# Altium PCB LION_TRACKER.PcbDoc (part 2 of 2)
Units mm, origin at the board's own origin, x right, y up, seen from the top; angles counter-clockwise.
Board outline 22.8 x 82 mm, 2 copper layers (Top Layer, Bottom Layer), stack 1.579 mm thick; 114 components, 83 nets, 437 pads, 487 vias.
Unrouted connection lines stored in the file: 5.
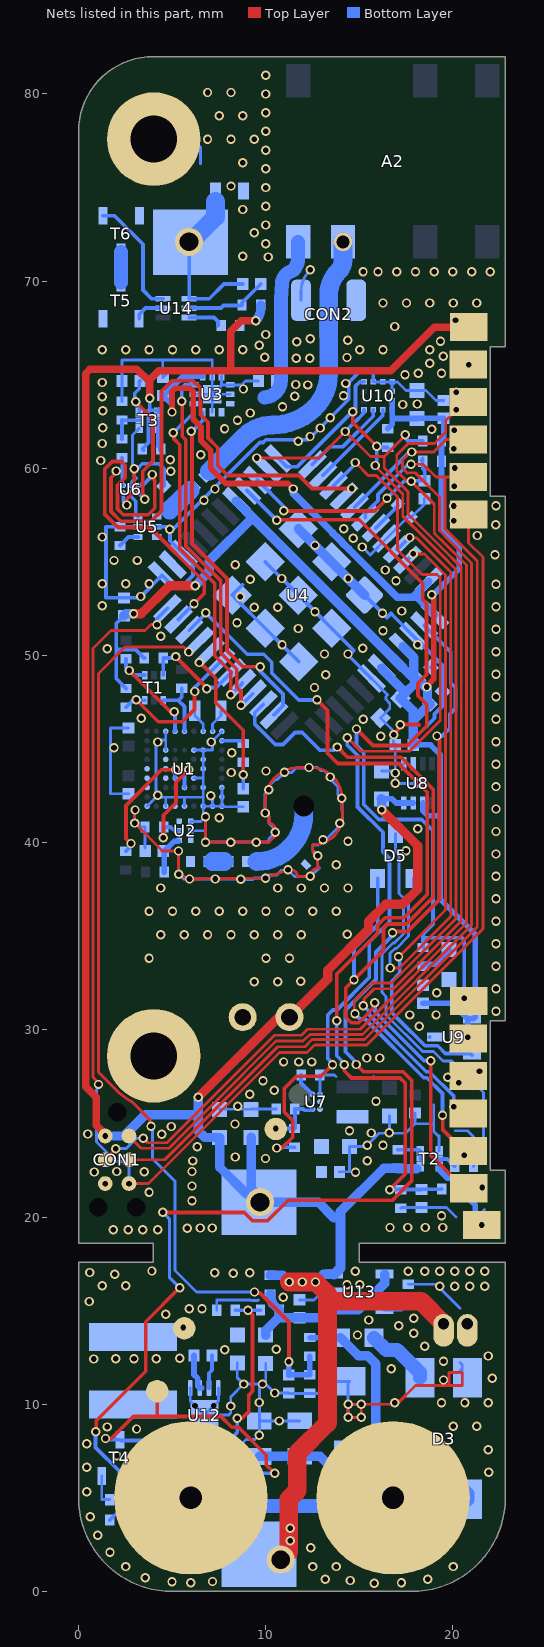
[diagram p2: the nets of this part, all layers, seen from the top]

## Via types
v1: diameter 0.5, hole 0.3, Top Layer to Bottom Layer, tented both sides, 479 vias
v2: diameter 0.3, hole 0.3, Top Layer to Bottom Layer, tented both sides, 6 vias
v3: diameter 1.2/1.4 (per signal layer), hole 1.2, Top Layer to Bottom Layer, tented both sides, 2 vias

## Nets (pads, with @x,y where several pads share a name; then routed paths per layer and width w, separated by ;. In a path a pad name is that pad's centre, name@x,y a point inside that pad or via, vN(x,y) a via of type N, cw(c..) or ccw(c..) an arc to the next point about the centre after c; other vN are vias at no path point) (continued)
+2.5V: C5.1 C6.2 C12.1 C13.2 C14.2 C15.2 C34.2 C36.1 pad.102@20.82,29.54 R6.2 R8.2 R10.2 R11.2 R18.2 U4.4 U4.5 U4.6 U4.32 U8.2 U8.6 U9.1 U10.9 U10.10 | length 82
  Top Layer w0.3: v1(18.61,48.319) 18.61,48.373 18.968,48.731 18.968,53.084 18.868,53.184 v1(18.868,53.238)
  Top Layer w0.5: v1(2.94,52.23) 3.35,52.23 4.853,53.733 v1(6.237,53.733)
  Bottom Layer w0.2: C15.2@2.42,52.12 2.011,51.711 2.011,50.291 ; R6.2@2.54,48.24 2.011,48.769 2.011,50.291 ; R8.2@3.52,49.87 3.49,49.87 3.04,50.32 2.04,50.32 2.011,50.291
  Bottom Layer w0.3: R11.2@16.52,62.12 16.75,62.35 16.75,62.66 ; U10.9@16.75,63.62 U10.10@16.75,63.12 16.75,62.66 ; C34.2@17.88,45.23 18.8,45.23 19.33,44.7 19.33,41.433 19.33,36.97 21.2,35.1 21.2,30.68 21.11,30.59 U9.1@21.02,30.59 U9.1@20.89,30.59 ; U8.6@18.38,42.12 18.38,41.728 18.675,41.433 19.298,41.433 ; C36.1@18.4,31.42 19.955,31.42 20.785,30.59 U9.1@20.89,30.59 ; v1(18.868,53.238) 18.93,53.3 19,53.3 20.33,54.63 20.33,55.88 19.39,56.82 R18.2@19.39,60.38 R10.2@19.39,61.46 19.51,61.58 C6.2@19.51,62.67 18.1,62.67 C5.1@18.09,62.66 16.75,62.66 ; v1(20.8,29.6) 20.8,30.5 U9.1@20.89,30.59
  Bottom Layer w0.5: C15.2@2.42,52.12 2.53,52.23 v1(2.94,52.23) ; v1(6.237,53.733) 6.587,54.083 6.587,54.095 6.975,54.483 6.975,55.047 9.294,57.365 9.303,57.365 ; U4.32@8.429,58.253 8.429,58.238 9.298,57.37 U4.5@16.766,49.902 C14.2@17.913,48.755 ; U4.6@16.2,49.336 16.2,49.286 17.473,48.013 ; U4.4@17.332,50.467 17.913,49.886 C14.2@17.913,48.755 ; C34.2@17.88,45.23 17.88,46.51 ; C14.2@18.064,48.604 17.473,48.013 ; v1(18.61,48.319) v1@18.522,48.319 ; 17.473,48.013 C12.1@17.19,47.73 17.88,47.041 17.88,46.51 ; 17.88,46.51 C13.2@18.781,47.411 18.644,47.411 18.644,48.197 v1@18.522,48.319 ; C14.2@17.913,48.755 17.977,48.691 C14.2@18.151,48.691 v1@18.522,48.319
A_INT1: U4.37 U10.12 | length 4.7
  Bottom Layer w0.2: U4.37@12.488,60.204 13.444,61.16 14.127,61.16 15.75,62.783 U10.12@15.75,63.12
A_INT2: U4.38 U10.11 | length 4.8
  Bottom Layer w0.2: U4.38@13.061,59.631 16.25,62.82 U10.11@16.25,63.12
AC+: D3.4 TAB1.1
  other v3: 16.8,5
AC-: D3.3 TAB3.1 | length 16.5
  Bottom Layer w0.75: v3@6.03,5.01 6.47,4.57 14.27,4.57 16.2,6.5 19.465,6.5 20.77,5.195 D3.3@20.77,4.92
  other v3: 6,5
ANT: A2.1 C7.2 U3.9 U3.10 | length 9.2
  Bottom Layer w0.75: 9.923,63.795 ccw(c9.923,64.682) 10.81,64.682 10.81,69.05 10.859,69.863 cw(c11.622,69.817) 11.457,70.563 ccw(c10.799,71.222) 11.73,71.222 A2.1@11.73,71.872 ; A2.1@11.73,71.869 A2.1@11.73,71.872 ; A2.1@11.73,72.1 A2.1@11.73,71.872
BAT_AN: C10.2 R12.1 R15.2 U4.22 | length 49.2
  Top Layer w0.2: v1(12.74,47.63) 13.3,47.07 13.3,44.78 13.85,44.23 17.091,44.23 18.627,42.694 18.627,37.232 17.385,35.99 16.37,35.99 15.966,35.586 15.966,35.161 13.79,32.985 v1(13.79,30.49) ; v1(14.2,28.14) 14.2,27.82 14.583,27.437 17.169,27.437 17.45,27.156 17.45,22.296 v1(16.624,21.47)
  Bottom Layer w0.2: U4.22@5.914,51.356 6.8,52.242 v1(6.8,52.28) 9.01,50.07 9.89,50.07 10.32,49.64 10.32,49.07 11.76,47.63 v1(12.74,47.63) ; v1(13.79,30.49) 13.79,28.623 14.2,28.213 v1(14.2,28.14) ; v1(16.624,21.47) R15.2@17.21,21.47 ; R12.1@19.4,21.5 19.381,21.481 18.331,21.481 C10.2@18.32,21.47 17.61,21.47 ; R15.2@17.21,21.47 17.61,21.47 ; R15.2@17.21,21.47 17.216,21.476 17.61,21.476 17.61,21.47
BAT_MON_EN: D5.1 U4.45 | length 32
  Top Layer w0.152: v1(16.66,33.31) 16.663,33.313 17.145,33.313 19.884,36.051 19.884,54.467 18.06,56.291 17.718,56.291 v1(17.703,56.306)
  Bottom Layer w0.152: v1(16.66,33.31) 16.643,33.327 16.643,34.092 16.909,34.358 16.981,34.358 17.636,35.013 17.636,37.056 17.879,37.299 D5.1@17.879,38.094
  Bottom Layer w0.2: U4.45@17.014,55.679 17.045,55.679 17.672,56.306 v1(17.703,56.306)
BOOT0: R17.1 U4.43 | length 1.7
  Bottom Layer w0.2: U4.43@15.882,56.81 17.056,57.984 R17.1@17.056,58.074
CHG_DIS: R31.1 U4.2 | length 70
  Top Layer w0.2: v1(0.91,8.54) 0.949,8.579 0.949,9.119 3.59,11.76 3.59,14.41 v1(5.4,16.22) ; v1(4.5,20.25) 8.85,20.25 9.3,19.8 10.1,19.8 11.2,20.9 16.77,20.9 17.795,21.925 17.795,27.305 17.336,27.764 15.22,27.764 v1(14.834,28.151) ; v1(16.773,35.186) 16.847,35.26 17.58,35.26 19.281,36.961 19.281,45.566 v1(19.147,45.7)
  Bottom Layer w0.16: v1(4.5,20.25) 4.867,19.883 4.867,16.753 v1(5.4,16.22)
  Bottom Layer w0.2: v1(0.91,8.54) 0.91,7.69 2.17,6.43 2.17,4.315 R31.1@1.67,3.815 ; v1(14.834,28.151) 14.834,28.232 14.703,28.363 14.703,28.397 14.267,28.833 14.267,31.067 15.895,32.695 15.895,34.167 16.77,35.042 16.77,35.183 v1(16.773,35.186) ; U4.2@18.47,51.606 19.88,50.196 19.88,48.54 20.14,48.28 20.14,47.2 20.15,47.19 19.84,46.88 19.84,46.12 19.42,45.7 v1(19.147,45.7)
GND: C1.1 C3.1 C4.1 C5.2 C6.1 C7.1 C8.1 C10.1 C11.1 C12.2 C13.1 C14.1 C15.1 C16.2 C17.1 C18.1 C19.1 C20.1 C21.1 C22.1 C23.1 C31.1 C32.1 C33.1 C34.1 C36.2 C40.1 C41.1 C42.1 C43.1 C44.1 CON1.5 CON2.2 CON3.1 D1.A D2.1 D3.2 D4.A L4.1 pad.102@20.82,65.54 pad.103@20.82,27.54 pad.207 pad.208 R3.1 R15.1 R16.1 R17.2 R19.1 R22.1 R24.1 R25.1 R26.1 R29.1 R30.1 R32.1 R34.1 R36.1 T2.1 T3.1 T4.2 T5.2 U1.A1 U1.A3 U1.A5 U1.A7 U1.A8 U1.A9 U1.B9 U1.C7 U1.C9 U1.D6 U1.E7 U1.F7 U1.G3 U1.G6 U1.G7 U1.J3 U1.J9 U2.1 U2.2 U3.0 U3.2 U3.5 U3.6 U3.7 U3.8 U3.11 U4.3 U4.7 U4.25 U4.27 U4.44 U4.49 U4.50 U4.51 U4.52 U4.53 U4.54 U4.55 U4.56 U4.57 U5.2 U5.5 U6.B2 U6.C1 U7.A3 U8.0 U8.1 U9.3 U10.5 U10.6 U10.7 U10.8 U12.5 U12.8 U12.9 U13.2 | length 269
  Top Layer w0.152: v1@3.005,41.045 v1(3.01,41.05) ; v1(3.02,41.75) 3,41.73 3,41.05 4.49,39.56 v1(5.34,39.56) 5.345,38.98 v1(5.35,38.32) v1(5.93,38.06) 6.61,38.068 7.3,38.077 7.98,38.085 8.659,38.094 9.309,38.102 v1(9.99,38.11) 10.574,38.324 v1(11.19,38.55) 11.34,38.55 cw(c11.34,38.2) 11.69,38.2 v1(12.38,38.2) cw(c12.84,38.2) 12.84,38.66 12.86,38.66 cw(c12.86,38.74) 12.78,38.74 v1(12.78,39.31) cw(c12.78,39.58) 12.51,39.58 12.51,39.88 ccw(c12.51,41.47) 14.1,41.47 14.1,41.7 cw(c14.1,41.73) 14.07,41.73 v1(14.07,42.37) ccw(c12.42,42.37) 12.42,44.02 v1(12.31,44.02) 11.77,44.02 ccw(c11.77,42.22) 9.97,42.22 v1(9.97,41.59) cw(c9.97,41.39) 10.17,41.39 10.17,41.04 cw(c10.17,40.7) 10.51,40.7 v1(10.51,40.55) 10.51,40.36 10.18,40.03 v1(9.5,40.03) 8.82,40.03 v1(8.14,40.03) 7.46,40.03 v1(6.78,40.03) 6.78,40.71 v1(6.78,41.39) ; v1(15.1,10) 17,10 18,11 19.8,11 ; v1(15.1,10) v1(15.1,9.3) v1(14.4,9.3) v1(14.4,10) v1(15.1,10) ; 19.8,11 19.8,11.7 20.5,11.7 20.5,11 19.8,11
  Top Layer w0.2: v1(2.58,58.04) 2.58,58.37 2.97,58.76 v1(2.97,59.97) ; v1(16.832,45.768) 16.832,45.791 17.243,46.202 17.243,46.225 17.328,46.31 18.165,46.31 18.192,46.283
  Bottom Layer w0.152: T4.2@1.24,6.165 1.24,4.905 R32.1@1.67,4.905 ; R22.1@2.32,63.58 C16.2@2.32,64.66 2.32,65.79 4.5,65.79 ; C3.1@2.675,42.62 1.7,42.62 1.7,46.122 C4.1@2.676,46.122 ; v1@3.005,41.045 v1(3.01,41.05) ; v1(3.02,41.75) 3,41.73 3,41.05 3.21,40.84 R3.1@3.55,40.84 C1.1@3.55,39.72 ; v1@3.12,59.97 2.88,60.21 2.88,61.78 T3.1@3.24,62.14 ; pad.207@3.28,77.59 6.07,77.59 6.51,77.15 6.51,76.27 ; U1.A1@3.66,41.95 v1@4.14,42.43 ; U1.A3@4.66,41.95 4.66,42.43 ; U1.G3@4.66,44.95 4.66,45.48 ; U1.J3@4.66,45.95 4.66,45.48 ; C8.1@4.71,65.06 C8.1@4.5,64.85 4.5,65.79 ; v1(5.34,39.56) 5.34,38.98 5.35,38.97 v1(5.35,38.32) 5.61,38.06 v1(5.93,38.06) 6.61,38.06 v1(7.3,38.06) 7.98,38.06 7.99,38.05 v1(8.66,38.05) 8.67,38.04 9.31,38.04 9.38,38.11 v1(9.99,38.11) 10.16,38.28 10.59,38.28 10.837,38.527 11.167,38.527 v1(11.19,38.55) 11.54,38.2 11.69,38.2 v1(12.38,38.2) 12.4,38.2 12.86,38.66 12.78,38.74 v1(12.78,39.31) 12.51,39.58 12.51,39.88 12.79,39.88 v1(13.06,40.15) 13.2,40.15 13.57,40.52 13.96,40.91 v1(13.96,41.04) 14.1,41.18 14.1,41.7 14.07,41.73 v1(14.07,42.37) 13.85,42.59 13.85,43.01 13.45,43.41 v1(13.45,43.51) 13.11,43.85 12.93,43.85 12.76,44.02 v1(12.31,44.02) 12.28,43.99 11.62,43.99 11.39,43.76 v1(11,43.76) 10.6,43.36 10.5,43.36 10.17,43.03 v1(10.17,42.83) 9.97,42.63 9.97,42.22 v1(9.97,41.59) 10.17,41.39 10.17,41.04 10.51,40.7 v1(10.51,40.55) 10.18,40.22 10.18,40.03 v1(9.5,40.03) 8.82,40.03 v1(8.14,40.03) 7.46,40.03 v1(6.78,40.03) 6.78,40.71 ; U1.A5@5.66,41.95 5.66,42.43 ; U12.5@5.97,10.87 5.97,10.17 v2(6.22,9.92) U12.9@6.72,9.42 ; U2.2@5.99,40.64 6.71,40.64 6.78,40.71 ; U2.1@5.99,41.14 6.53,41.14 v1(6.78,41.39) ; U1.D6@6.16,43.45 6.66,43.45 ; U1.G6@6.16,44.95 U1.G7@6.66,44.95 ; U3.2@6.178,63.96 U3.0@7.14,63.96 ; U3.11@7.14,62.998 U3.0@7.14,63.96 ; v1@7.16,42.45 U1.A8@7.16,41.95 ; R30.1@7.38,15.02 7.38,15.58 9.179,15.58 9.212,15.547 9.588,15.547 9.621,15.58 ; U12.8@7.47,10.87 7.47,10.17 v2(7.22,9.92) U12.9@6.72,9.42 ; C18.1@7.54,25.75 7.55,25.76 C19.1@9.22,25.76 9.23,25.77 R24.1@10.56,25.77 ; U3.6@7.64,64.922 U3.0@7.64,64.46 ; U1.C9@7.66,42.95 U1.B9@7.66,42.45 U1.A9@7.66,41.95 ; U1.J9@7.66,45.95 7.15,45.44 7.15,45 7.17,44.98 7.14,44.95 U1.G7@6.66,44.95 ; U3.8@8.102,63.96 U3.0@7.14,63.96 ; C43.1@8.27,6.95 8.27,7.44 8.94,8.11 9.42,8.11 9.66,8.35 C31.1@9.66,9.11 ; C42.1@8.48,12.2 8.48,11.42 v1(8.82,11.08) ; C17.1@8.8,41.92 7.66,41.92 U1.A9@7.66,41.95 ; C7.1@9.61,64.67 8.92,64.67 8.71,64.46 U3.7@8.102,64.46 U3.0@7.64,64.46 ; C41.1@10,12.19 v1@10,11.08 ; C40.1@11.8,15.58 12.58,15.58 13,16 U13.2@13.65,16 ; C32.1@11.81,9.12 11.8,9.11 v1(10.73,9.11) C31.1@9.66,9.11 ; CON2.2@11.885,68.979 11.885,69.415 cw(c13.575,69.415) v1(12.38,70.61) ; U7.A3@12.9,26.56 12.9,27.58 R25.1@12.89,27.59 13.679,27.59 13.756,27.513 ; C21.1@13.94,22.42 14.48,22.42 C20.1@14.48,23.78 15.36,23.78 v1(15.414,23.834) 16.06,24.48 v1@16.58,24.48 ; v1(15.1,9.3) v1(14.4,9.3) v1(14.4,10) ; v1(15.1,10) v1(14.4,10) ; v1(15.162,55.795) 15.58,55.377 U4.44@16.448,56.244 17.57,57.366 R17.2@17.764,57.366 18.47,58.073 C11.1@18.47,58.38 ; U4.7@15.642,48.777 16.513,47.906 16.422,47.814 16.422,47.646 16.63,47.438 16.63,47.17 C12.2@16.13,46.67 16.832,45.967 v1(16.832,45.768) 16.832,45.318 C34.1@16.92,45.23 16.92,44.22 ; U10.5@15.75,64.62 U10.6@16.25,64.62 U10.7@16.75,64.62 ; C33.1@16.18,43.84 v1@16.92,43.84 ; C23.1@16.62,25.41 16.62,24.52 v1(16.6,24.5) v1@16.58,24.48 ; U10.8@16.75,64.12 U10.7@16.75,64.62 ; R15.1@17.21,20.47 17.25,20.51 19.659,20.51 20.172,19.997 ; U8.1@17.38,44.22 16.92,44.22 ; R29.1@17.61,16.41 19.09,16.41 20.37,15.13 ; C22.1@17.97,25.56 17.97,24.99 ; U8.0@18.13,43.17 v1(16.92,43.17) v1(16.92,43.726) v1@16.92,43.84 ; 18.949,24.99 17.97,24.99 ; 18.98,25.991 18.98,24.99 18.98,24.579 19.212,24.347 ; T2.1@19.26,23.54 19.26,24.347 ; C6.1@19.51,63.63 19.09,63.63 18.56,64.16 C5.2@18.09,64.16 17.5,64.16 17.04,64.62 U10.7@16.75,64.62 ; 20.128,24.612 20.778,24.612 21.1,24.29 21.1,23.81 R16.1@21.15,23.81 ; D3.2@20.3,11.7 D3.2@20.5,11.9 ; D3.2@20.37,12.23 20.5,12.1 D3.2@20.5,11.9 ; D3.2@20.5,11 D3.2@20.5,11.9 ; 21.575,20.305 21.68,20.41 ; v1@4.14,42.43 4.14,45.48 4.66,45.48 ; v1@4.14,42.43 4.66,42.43 ; 4.5,65.79 7.14,65.79 U3.5@7.14,64.922 U3.0@7.14,63.96 ; 4.66,42.43 5.66,42.43 ; 5.66,42.43 6.66,42.43 ; U1.A7@6.66,41.95 6.66,41.51 v1(6.78,41.39) ; U1.A7@6.66,41.95 6.66,42.43 ; U1.A7@6.66,41.95 U1.A8@7.16,41.95 ; 6.66,42.43 U1.C7@6.66,42.95 6.66,43.45 ; 6.66,43.45 U1.E7@6.66,43.95 U1.F7@6.66,44.45 U1.G7@6.66,44.95 ; U12.9@6.72,9.42 8.027,9.42 8.027,9.438 8.13,9.541 v1(8.13,9.905) 8.13,10.39 v1(8.82,11.08) ; 6.78,40.71 v1(6.78,41.39) ; U3.0@7.14,63.96 U3.0@7.64,64.46 ; U1.A8@7.16,41.95 U1.A9@7.66,41.95 ; v1(8.82,11.08) v1@9.66,11.08 ; C31.1@9.66,9.11 v1(9.66,10.095) v1@9.66,11.08 ; v1@9.66,11.08 v1(9.83,11.08) v1@10,11.08 ; v1@10,11.08 v1(10.48,10.6) C44.1@11.23,10.6 11.25,10.58 R34.1@12.35,10.58 12.78,10.58 13.425,11.225 D4.A@14.49,11.225 14.4,11.135 v1(14.4,10) ; v1@16.58,24.48 17.46,24.48 17.97,24.99 ; v1@16.92,43.84 16.92,44.22
  Bottom Layer w0.2: U6.C1@2.39,58.69 2.39,58.23 v1(2.58,58.04) v1@2.58,58.12 ; U6.B2@2.79,59.09 2.863,59.163 2.863,59.271 3.066,59.475 2.97,59.57 v1(2.97,59.97) 3.12,59.97 3.4,60.25 4.29,60.25 4.575,59.965 4.575,59.08 L4.1@4.557,59.063 ; 8.765,53.783 U4.57@8.212,53.23 8.471,52.971 U4.56@9.98,51.462 v1(10.873,50.57) U4.55@11.765,49.677 ; U4.54@9.98,54.998 U4.53@11.748,53.23 v1(12.632,52.346) U4.52@13.516,51.462 14.708,50.27 14.708,50.258 14.434,49.985 U4.7@15.642,48.777 ; U4.49@15.283,53.23 16.48,52.033 16.483,52.033 16.69,52.24 16.89,52.04 U4.3@17.897,51.033 U4.3@18.345,50.585 ; U10.5@15.75,64.62 15.75,65.08 15.66,65.17 15.01,65.17 14.43,64.59 14.43,63.69 12.27,61.53 10.002,61.53 9.857,61.385 9.685,61.385 5.06,56.76 v1@4.77,56.76 ; v1(18.114,50.572) 18.332,50.572 U4.3@18.345,50.585 ; 18.578,46.202 18.598,46.202 18.598,46.234 19.018,46.654 19.018,46.874 19.446,47.302 19.446,47.34 19.449,47.344 19.459,47.344 C13.1@19.459,48.089 19.459,49.471 19.195,49.735 ; U9.3@18.75,29.61 U9.3@18.76,29.62 ; C14.1@18.829,49.369 19.195,49.735 ; v1@4.77,56.76 4.89,56.64 4.89,56.132 U4.27@5.598,55.424 5.97,55.052 6.11,55.052 6.11,54.28 5.6,53.77 4.985,53.77 U4.25@4.465,54.291 v1(3.329,53.156) 3.254,53.08 C15.1@2.42,53.08 1.47,53.08 1.47,56.88 R19.1@2.22,56.88 U5.5@3.18,56.88 U5.2@4.18,56.88 4.65,56.88 v1@4.77,56.76 ; U4.3@18.345,50.585 19.195,49.735
  Bottom Layer w0.5: U4.51@11.748,56.766 U4.50@13.516,54.998 v1(14.399,54.114) U4.49@15.283,53.23
  other v1: 15.805,0.444 6,0.47 17.25,0.47 4.99,0.51 7.154,0.533 14.522,0.584 13.176,0.66 18.651,0.648 3.559,0.736 2.518,1.33 12.518,1.33 13.768,1.33 20.018,1.33 1.679,2.096 12.413,2.337 1.018,2.998 0.625,4.001 0.434,5.335 21.916,6.377 0.44,6.63 2.04,7.25 21.893,7.58 0.43,7.89 9.647,8.337 3.1,8.68 1.534,8.79 20.018,8.83 21.268,8.83 16.893,10.08 19.393,10.08 20.643,10.08 21.893,10.08 19.5,11.3 22.1,11.4 16.7,11.9 19.5,12.3 0.81,12.42 1.98,12.43 2.96,12.43 4.156,12.436 5.414,12.462 21.893,12.58 7.812,12.917 10.562,12.945 18.5,13.1 14.9,13.7 17.9,13.8 17.1,14.2 15.5,14.5 17.9,14.6 4.664,14.809 5.922,15.1 6.593,15.1 0.578,15.488 10.94,15.71 19.3,16.3 20.1,16.3 20.9,16.3 21.7,16.3 1.268,16.33 2.518,16.33 14.341,16.377 15.018,16.377 1.94,16.955 8.259,17.007 9.139,17.018 0.599,17.039 7.274,17.028 3.921,17.123 14.787,17.113 17.619,17.105 18.5,17.1 19.3,17.1 20.1,17.1 20.9,17.1 21.7,17.1 1.86,19.32 2.653,19.32 3.437,19.32 4.23,19.32 5.817,19.399 6.493,19.418 7.139,19.418 16.642,19.447 17.59,19.447 18.526,19.447 19.463,19.447 19.393,20.08 6.062,20.878 3.768,21.33 6.062,21.661 1.425,21.79 14.795,22.402 0.834,22.407 3.52,22.43 2.032,22.433 6.062,22.435 6.1,23 15.415,23.004 9.987,23.133 8.375,23.211 6.347,23.766 16.268,23.83 4.45,24.43 0.5,24.44 15.647,24.492 14.476,24.612 4.95,24.84 8.361,24.975 8.501,25.919 15.89,26.19 9.141,26.559 10.451,26.775 20.318,27.186 9.856,27.274 19.722,27.462 21.417,27.788 10.953,28.289 11.76,28.289 12.45,28.289 15.4,28.5 16.1,28.5 18.2,30.2 17.7,30.8 19.1,30.8 22.3,31 19.13,31.98 22.3,32.2 9.393,32.58 10.643,32.58 11.869,32.604 22.3,33.4 3.768,33.83 10.018,33.83 11.268,33.83 22.3,34.6 4.393,35.08 5.643,35.08 6.893,35.08 8.143,35.08 9.393,35.08 10.643,35.08 11.893,35.08 14.358,35.115 22.3,35.8 3.768,36.33 5.018,36.33 6.268,36.33 7.518,36.33 8.768,36.33 10.018,36.33 11.268,36.33 12.518,36.33 13.768,36.33 22.3,37 4.393,37.58 10.643,37.58 11.893,37.58 13.143,37.58 14.393,37.58 22.3,38.2 13.768,38.83 22.3,39.4 17.493,39.565 14.393,40.08 22.3,40.6 18.12,40.75 7.518,41.33 22.3,41.8 7.06,42.5 4.23,42.53 22.3,43 8.16,43.75 10.018,43.83 22.3,44.2 8.19,44.81 1.893,45.08 4.23,45.38 7.09,45.38 22.3,45.4 16.14,45.68 17.189,46.31 15.21,46.601 22.3,46.6 3.35,46.65 22.3,47.8 12.605,48.291 13.207,48.979 22.3,49 13.143,50.08 14.393,50.08 22.3,50.2 1.532,50.36 15.185,50.384 4.391,51.022 16.268,51.33 22.3,51.4 11.738,51.444 8.465,51.751 16.238,52.261 17.262,52.382 9.393,52.58 10.643,52.58 22.3,52.6 1.263,52.668 8.639,53.139 22.3,53.8 1.268,53.83 2.518,53.83 3.768,53.83 16.962,53.998 9.173,54.081 10.864,54.114 16.39,54.57 8.371,54.847 1.893,55.08 3.143,55.08 22.25,55.39 12.632,55.882 14.67,56.27 1.268,56.33 21.3,56.41 4.881,56.738 14.177,56.773 22.28,56.99 22.3,58 6.702,58.296 7.293,58.898 4.921,59.853 1.183,60.417 4.907,60.463 6.538,60.731 1.268,61.33 11.744,61.442 12.369,61.701 18.86,62.09 7.801,62.116 12.906,62.155 1.298,62.167 8.493,62.572 13.452,62.697 9.171,62.957 1.291,63.085 10.896,63.294 17.32,63.41 18.09,63.44 1.268,63.83 11.549,63.851 14.155,63.885 8.809,64.239 12.246,64.456 11.607,64.479 14.28,64.536 1.27,64.589 17.443,65.002 18.143,65.08 19.393,65.08 20.84,65.54 18.761,65.611 11.63,65.884 12.345,65.89 9.943,65.936 14.342,65.919 19.493,65.983 1.268,66.33 2.518,66.33 3.768,66.33 5.018,66.33 6.268,66.33 7.51,66.33 8.768,66.33 15.018,66.33 16.268,66.33 18.768,66.33 9.65,66.57 11.659,66.761 19.336,66.785 14.383,66.843 12.385,66.924 9.994,67.153 16.893,67.58 16.268,68.83 17.518,68.83 18.768,68.83 20.018,68.83 21.268,68.83 15.2,70.5 16,70.5 17,70.5 18,70.5 19,70.5 20,70.5 21,70.5 22,70.5 10.14,71.29 8.768,71.33 10,72 9.393,72.58 10,73 8.768,73.83 10,74 10,75 8.143,75.08 10,76 8.768,76.33 10,77 6.893,77.58 8.143,77.58 9.393,77.58 9.995,78 7.518,78.83 8.768,78.83 10,79 10,80 6.893,80.08 8.143,80.08 10,81
GND_BAT: C45.1 P1.2 pad.209@5.9,72.1 R26.2 T6.2 U14.4 | length 9
  Bottom Layer w0.2: P1.2@5.87,72.03 P1.2@5.91,71.99 ; P1.2@5.98,72.09 5.91,72.02 P1.2@5.91,71.99 ; C45.1@8.77,69.85 7.77,69.85 6.98,69.06 U14.4@5.91,69.06 P1.2@5.91,71.99
  Bottom Layer w1: P1.2@5.98,72.09 7.32,73.43 7.32,74.26
GPS_EN: R23.1 U4.39 | length 52
  Top Layer w0.152: v1(14.36,45.61) 15.08,44.89 17.69,44.89 19.321,46.521 19.321,54.163 19.148,54.336 18.34,54.336 17.042,55.633 17.042,58.478 16.16,59.361 15.902,59.619 15.481,59.619 v1(14.79,60.31)
  Top Layer w0.2: v1(10.59,23.69) 10.86,23.69 11.44,24.27 11.44,25.16 10.99,25.61 10.99,26.872 11.638,27.52 12.95,27.52 v1(13.57,28.14)
  Bottom Layer w0.2: v1(10.59,23.69) 10.63,23.73 R23.1@11.54,23.73 ; v1(13.57,28.14) 13.57,28.221 13.313,28.478 13.313,30.803 13.577,31.067 13.805,31.067 15.53,32.792 15.53,34.695 16.606,35.771 16.606,39.164 16.259,39.511 16.259,40.561 14.908,41.912 14.908,44.677 14.36,45.225 v1(14.36,45.61) ; U4.39@13.619,59.073 14.79,60.243 v1(14.79,60.31)
GPS_RX: R8.1 T1.3 U4.18 | length 6
  Top Layer w0.2: v1(5.185,49.945) v1@6.92,48.21 ; v1(6.84,48.23) v1@6.84,48.29
  Bottom Layer w0.2: T1.3@4.555,48.98 T1.3@4.53,48.955 4.53,49.86 R8.1@4.52,49.87 5.11,49.87 v1(5.185,49.945) v1@5.26,50.02 ; v1(6.84,48.23) 6.897,48.287 7.357,48.287 8.163,49.093 U4.18@8.177,49.093
GPS_TX: R6.1 T1.6 U4.19 | length 8.2
  Top Layer w0.2: v1(3.08,47.64) 4.26,46.46 5.54,46.46 6.2,47.12 v1(6.2,48.08)
  Bottom Layer w0.2: R6.1@2.54,47.24 2.905,47.605 T1.6@3.53,47.605 ; v1(6.2,48.08) 6.2,48.29 6.35,48.44 7.099,49.189 7.569,49.659 U4.19@7.611,49.659
INPUT_AN: C44.2 R33.1 R34.2 U4.21 | length 51.4
  Top Layer w0.16: v1(3.871,24.849) 3.83,24.89 3.83,25.18 2.851,26.159 2.833,26.177 cw(c4.02,28.61) 2.015,26.791 1.991,26.817 ccw(c1.878,26.705) 1.99,26.818 1.966,26.842 1.959,26.842 1.063,27.739 1.063,49.043 2.47,50.45 5.62,50.45 v1(5.879,50.19)
  Top Layer w0.2: v1(9.4,16) 9.457,15.943 9.687,15.943 11.24,14.39 v1(11.24,12.27)
  Bottom Layer w0.16: v1(3.871,24.849) 3.964,24.756 3.964,23.103 5.141,21.926 5.141,20.015 5.154,20.002 5.154,17.146 6.3,16 v1(9.4,16)
  Bottom Layer w0.3: v1(11.24,12.27) 11.23,12.26 C44.2@11.23,11.56 11.25,11.58 R34.2@12.35,11.58 R33.1@12.35,12.57
LED: pad.101@20.84,31.54 R9.1 U4.33 | length 44.4
  Top Layer w0.2: v1(10.58,57.22) 10.61,57.25 14.997,57.25 18.391,53.856 18.391,52.999 18.591,52.799 18.591,48.975 18.133,48.517 18.133,47.847 18.6,47.38 18.6,46.229 17.564,45.193 15.729,45.193 v1(14.848,46.074)
  Bottom Layer w0.2: U4.33@8.995,58.818 10.58,57.233 v1(10.58,57.22) ; v1(14.848,46.074) 14.848,45.199 15.235,44.812 15.235,42.047 16.042,41.24 18.335,41.24 18.941,40.634 18.941,35.66 18.4,35.119 18.4,34.927 ; R9.1@18.4,34.4 18.4,34.927 ; v1(20.6,31.7) 20.6,34.81 20.483,34.927 18.4,34.927
LORA_ANT: L4.2 L7.1 U5.1 | length 1.5
  Bottom Layer w1: 4.869,57.773 5.358,58.241 5.366,58.248 L7.1@5.972,58.828
NetA1_1: A1.1 C2.2 D1.K | length 4.4
  Bottom Layer w1: 9.53,39 ccw(c9.53,41.504) 12.034,41.504 A1.1@12.034,41.963
NetA2_2: A2.2 CON2.1 L7.2 pad.206 | length 16.1
  Bottom Layer w1: 6.994,59.844 8.827,61.677 cw(c10.38,60.123) 10.38,62.32 ccw(c10.38,65.507) 12.534,63.158 12.616,63.24 ccw(c10.82,65.036) 13.36,65.036 CON2.1@13.36,67.479 13.36,69.25 cw(c15.17,69.25) 13.89,70.53 ccw(c13.311,71.109) 14.13,71.109 A2.2@14.13,72.1
NetC1_2: C1.2 R1.1 U2.4 | length 2.2
  Bottom Layer w0.3: C1.2@4.52,39.55 4.58,39.49 R1.1@4.58,38.43 ; C1.2@4.552,39.518 5.122,40.087 U2.4@5.337,40.087
NetC2_1: C2.1 L1.2 | length 0.6
  Bottom Layer w1: L1.2@7.17,39 C2.1@7.78,39
NetC16_1: C16.1 T3.3 U6.A1 | length 8.1
  Top Layer w0.2: v1(3.054,63.563) 3.98,62.637 3.98,60.395 3.431,59.846 3.431,58.607 3.483,58.556 3.483,58.397 v1(3.54,58.34)
  Bottom Layer w0.2: T3.3@3.24,63 3.24,63.378 v1(3.054,63.563) 2.998,63.619 2.998,64.014 3.24,64.255 3.24,64.62 C16.1@3.28,64.66 ; 3.33,58.55 v1(3.54,58.34)
NetC39_1: C39.1 U12.7 | length 1.8
  Bottom Layer w0.2: U12.7@6.97,10.87 6.97,11.66 7.13,11.82 C39.1@7.13,12.61
NetC39_2: C39.2 L6.1 U12.6 | length 2
  Bottom Layer w0.3: C39.2@6.17,12.61 6.17,11.575 6.372,11.373 6.372,10.968 U12.6@6.47,10.87 U12.6@6.568,10.87